# Altium PCB Slave.PcbDoc (part 8 of 11)
Units mm, origin at the board's own origin, x right, y up, seen from the top; angles counter-clockwise.
Board outline 380 x 63 mm, 4 copper layers (Top Copper, Signal Layer 1, Signal Layer 2, Bottom Copper), stack 1.586 mm thick; 256 components, 191 nets, 731 pads, 24161 vias.
Unrouted connection lines stored in the file: 14.
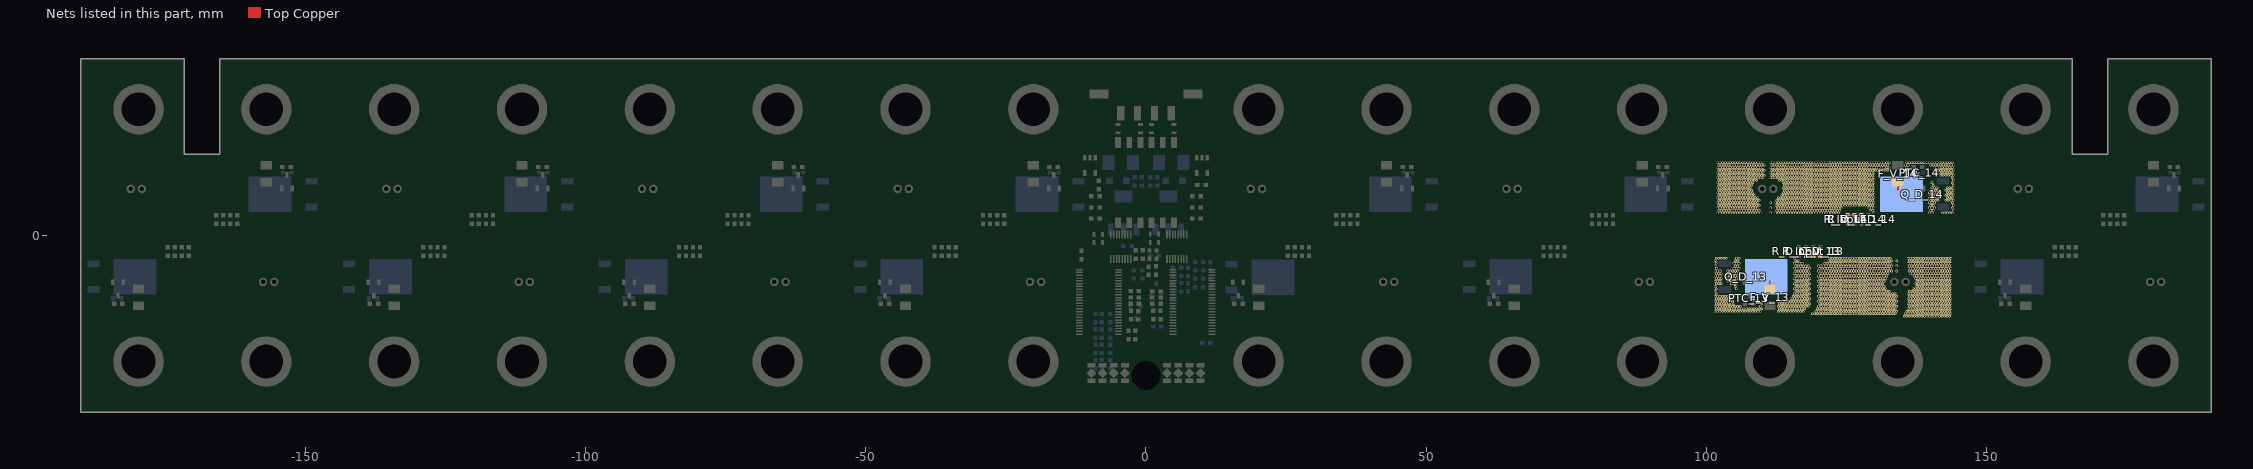
[diagram p10: the nets of this part, all layers, seen from the top]

## Via types
v1: diameter 0.45, hole 0.297, Top Copper to Bottom Copper, tented both sides, 23326 vias
v2: diameter 1, hole 0.7, Top Copper to Bottom Copper, 576 vias
v3: diameter 0.45, hole 0.2, Top Copper to Bottom Copper, 259 vias

## Nets (pads, with @x,y where several pads share a name; then routed paths per layer and width w, separated by ;. In a path a pad name is that pad's centre, name@x,y a point inside that pad or via, vN(x,y) a via of type N, cw(c..) or ccw(c..) an arc to the next point about the centre after c; other vN are vias at no path point) (continued)
F_13: C_V_13.2 F_V_13.2 PTC_13.2 Q_D_13.2 R_D_LED_13.2 R_Input_13.1 | length 3.9
  Top Copper w0.254: R_D_LED_13.2@117.75,-3.6 R_Input_13.1@119,-3.6 C_V_13.2@120.25,-3.6
  Top Copper w0.305: F_V_13.2@111.275,-9.48 111.275,-8.1
  other v1: 135.249,-14.45 135.699,-14.45 136.149,-14.45 136.599,-14.45 137.049,-14.45 137.499,-14.45 137.949,-14.45 138.399,-14.45 138.849,-14.45 139.299,-14.45 139.749,-14.45 140.199,-14.45 140.649,-14.45 141.099,-14.45 141.549,-14.45 141.999,-14.45 142.449,-14.45 142.899,-14.45 143.349,-14.45 118.824,-14 119.274,-14 119.724,-14 120.174,-14 120.624,-14 121.074,-14 121.524,-14 121.974,-14 122.424,-14 122.874,-14 123.324,-14 123.774,-14 124.224,-14 124.674,-14 125.124,-14 125.574,-14 126.024,-14 126.474,-14 126.924,-14 127.374,-14 127.824,-14 128.274,-14 128.724,-14 129.174,-14 129.624,-14 130.074,-14 130.524,-14 130.974,-14 131.424,-14 131.874,-14 132.324,-14 132.774,-14 133.224,-14 133.674,-14 135.474,-14 135.924,-14 136.374,-14 136.824,-14 137.274,-14 137.724,-14 138.174,-14 138.624,-14 139.074,-14 139.524,-14 139.974,-14 140.424,-14 140.874,-14 141.324,-14 141.774,-14 142.224,-14 142.674,-14 143.124,-14 143.574,-14 101.499,-13.55 101.949,-13.55 102.399,-13.55 102.849,-13.55 103.299,-13.55 103.749,-13.55 104.199,-13.55 104.649,-13.55 105.099,-13.55 105.549,-13.55 105.999,-13.55 106.449,-13.55 106.899,-13.55 107.349,-13.55 107.799,-13.55 108.249,-13.55 108.699,-13.55 109.149,-13.55 109.599,-13.55 112.749,-13.55 113.199,-13.55 113.649,-13.55 114.099,-13.55 114.549,-13.55 114.999,-13.55 115.449,-13.55 115.899,-13.55 116.349,-13.55 116.799,-13.55 117.249,-13.55 119.499,-13.55 119.949,-13.55 120.399,-13.55 120.849,-13.55 121.299,-13.55 121.749,-13.55 122.199,-13.55 122.649,-13.55 123.099,-13.55 123.549,-13.55 123.999,-13.55 124.449,-13.55 124.899,-13.55 125.349,-13.55 125.799,-13.55 126.249,-13.55 126.699,-13.55 127.149,-13.55 127.599,-13.55 128.049,-13.55 128.499,-13.55 128.949,-13.55 129.399,-13.55 129.849,-13.55 130.299,-13.55 130.749,-13.55 131.199,-13.55 131.649,-13.55 132.099,-13.55 132.549,-13.55 132.999,-13.55 133.449,-13.55 133.899,-13.55 135.699,-13.55 136.149,-13.55 136.599,-13.55 137.049,-13.55 137.499,-13.55 137.949,-13.55 138.399,-13.55 138.849,-13.55 139.299,-13.55 139.749,-13.55 140.199,-13.55 140.649,-13.55 141.099,-13.55 141.549,-13.55 141.999,-13.55 142.449,-13.55 142.899,-13.55 143.349,-13.55 101.724,-13.1 102.174,-13.1 102.624,-13.1 103.074,-13.1 103.524,-13.1 103.974,-13.1 104.424,-13.1 104.874,-13.1 105.324,-13.1 105.774,-13.1 106.224,-13.1 106.674,-13.1 107.124,-13.1 107.574,-13.1 108.024,-13.1 108.474,-13.1 108.924,-13.1 109.374,-13.1 109.824,-13.1 112.974,-13.1 113.424,-13.1 113.874,-13.1 114.324,-13.1 114.774,-13.1 115.224,-13.1 115.674,-13.1 116.124,-13.1 116.574,-13.1 117.024,-13.1 117.474,-13.1 119.724,-13.1 120.174,-13.1 120.624,-13.1 121.074,-13.1 121.524,-13.1 121.974,-13.1 122.424,-13.1 122.874,-13.1 123.324,-13.1 123.774,-13.1 124.224,-13.1 124.674,-13.1 125.124,-13.1 125.574,-13.1 126.024,-13.1 126.474,-13.1 126.924,-13.1 127.374,-13.1 127.824,-13.1 128.274,-13.1 128.724,-13.1 129.174,-13.1 129.624,-13.1 130.074,-13.1 130.524,-13.1 130.974,-13.1 131.424,-13.1 131.874,-13.1 132.324,-13.1 132.774,-13.1 133.224,-13.1 133.674,-13.1 135.924,-13.1 136.374,-13.1 136.824,-13.1 137.274,-13.1 137.724,-13.1 138.174,-13.1 138.624,-13.1 139.074,-13.1 139.524,-13.1 139.974,-13.1 140.424,-13.1 140.874,-13.1 141.324,-13.1 141.774,-13.1 142.224,-13.1 142.674,-13.1 143.124,-13.1 143.574,-13.1 101.499,-12.65 101.949,-12.65 102.399,-12.65 102.849,-12.65 103.299,-12.65 103.749,-12.65 104.199,-12.65 104.649,-12.65 105.099,-12.65 105.549,-12.65 105.999,-12.65 109.599,-12.65 112.749,-12.65 113.199,-12.65 113.649,-12.65 114.099,-12.65 114.549,-12.65 114.999,-12.65 115.449,-12.65 115.899,-12.65 116.349,-12.65 116.799,-12.65 117.249,-12.65 117.699,-12.65 118.149,-12.65 119.949,-12.65 120.399,-12.65 120.849,-12.65 121.299,-12.65 121.749,-12.65 122.199,-12.65 122.649,-12.65 123.099,-12.65 123.549,-12.65 123.999,-12.65 124.449,-12.65 124.899,-12.65 125.349,-12.65 125.799,-12.65 126.249,-12.65 126.699,-12.65 127.149,-12.65 127.599,-12.65 128.049,-12.65 128.499,-12.65 128.949,-12.65 129.399,-12.65 129.849,-12.65 130.299,-12.65 130.749,-12.65 131.199,-12.65 131.649,-12.65 132.099,-12.65 132.549,-12.65 132.999,-12.65 133.449,-12.65 133.899,-12.65 136.149,-12.65 136.599,-12.65 137.049,-12.65 137.499,-12.65 137.949,-12.65 138.399,-12.65 138.849,-12.65 139.299,-12.65 139.749,-12.65 140.199,-12.65 140.649,-12.65 141.099,-12.65 141.549,-12.65 141.999,-12.65 142.449,-12.65 142.899,-12.65 143.349,-12.65 101.724,-12.2 102.174,-12.2 102.624,-12.2 103.074,-12.2 103.524,-12.2 103.974,-12.2 104.424,-12.2 104.874,-12.2 109.824,-12.2 112.974,-12.2 113.424,-12.2 113.874,-12.2 114.324,-12.2 114.774,-12.2 115.224,-12.2 115.674,-12.2 116.124,-12.2 116.574,-12.2 117.024,-12.2 117.474,-12.2 117.924,-12.2 118.374,-12.2 120.174,-12.2 120.624,-12.2 121.074,-12.2 121.524,-12.2 121.974,-12.2 122.424,-12.2 122.874,-12.2 123.324,-12.2 123.774,-12.2 124.224,-12.2 124.674,-12.2 125.124,-12.2 125.574,-12.2 126.024,-12.2 126.474,-12.2 126.924,-12.2 127.374,-12.2 127.824,-12.2 128.274,-12.2 128.724,-12.2 129.174,-12.2 129.624,-12.2 130.074,-12.2 130.524,-12.2 130.974,-12.2 131.424,-12.2 131.874,-12.2 132.324,-12.2 132.774,-12.2 133.224,-12.2 133.674,-12.2 135.924,-12.2 136.374,-12.2 136.824,-12.2 137.274,-12.2 137.724,-12.2 138.174,-12.2 138.624,-12.2 139.074,-12.2 139.524,-12.2 139.974,-12.2 140.424,-12.2 140.874,-12.2 141.324,-12.2 141.774,-12.2 142.224,-12.2 142.674,-12.2 143.124,-12.2 143.574,-12.2 101.499,-11.75 101.949,-11.75 102.399,-11.75 102.849,-11.75 103.299,-11.75 103.749,-11.75 104.199,-11.75 104.649,-11.75 112.749,-11.75 113.199,-11.75 113.649,-11.75 114.099,-11.75 114.549,-11.75 114.999,-11.75 115.449,-11.75 115.899,-11.75 116.349,-11.75 116.799,-11.75 117.249,-11.75 117.699,-11.75 118.149,-11.75 119.949,-11.75 120.399,-11.75 120.849,-11.75 121.299,-11.75 121.749,-11.75 122.199,-11.75 122.649,-11.75 123.099,-11.75 123.549,-11.75 123.999,-11.75 124.449,-11.75 124.899,-11.75 125.349,-11.75 125.799,-11.75 126.249,-11.75 126.699,-11.75 127.149,-11.75 127.599,-11.75 128.049,-11.75 128.499,-11.75 128.949,-11.75 129.399,-11.75 129.849,-11.75 130.299,-11.75 130.749,-11.75 131.199,-11.75 131.649,-11.75 132.099,-11.75 132.549,-11.75 132.999,-11.75 133.449,-11.75 133.899,-11.75 136.149,-11.75 136.599,-11.75 137.049,-11.75 137.499,-11.75 137.949,-11.75 138.399,-11.75 138.849,-11.75 139.299,-11.75 139.749,-11.75 140.199,-11.75 140.649,-11.75 141.099,-11.75 141.549,-11.75 141.999,-11.75 142.449,-11.75 142.899,-11.75 143.349,-11.75 101.724,-11.3 102.174,-11.3 102.624,-11.3 103.074,-11.3 103.524,-11.3 103.974,-11.3 115.224,-11.3 115.674,-11.3 116.124,-11.3 116.574,-11.3 117.024,-11.3 117.474,-11.3 117.924,-11.3 118.374,-11.3 120.174,-11.3 120.624,-11.3 121.074,-11.3 121.524,-11.3 121.974,-11.3 122.424,-11.3 122.874,-11.3 123.324,-11.3 123.774,-11.3 124.224,-11.3 124.674,-11.3 125.124,-11.3 125.574,-11.3 126.024,-11.3 126.474,-11.3 126.924,-11.3 127.374,-11.3 127.824,-11.3 128.274,-11.3 128.724,-11.3 129.174,-11.3 129.624,-11.3 130.074,-11.3 130.524,-11.3 130.974,-11.3 131.424,-11.3 131.874,-11.3 132.324,-11.3 132.774,-11.3 133.224,-11.3 133.674,-11.3 135.924,-11.3 136.374,-11.3 136.824,-11.3 137.274,-11.3 137.724,-11.3 138.174,-11.3 138.624,-11.3 139.074,-11.3 139.524,-11.3 139.974,-11.3 140.424,-11.3 140.874,-11.3 141.324,-11.3 141.774,-11.3 142.224,-11.3 142.674,-11.3 143.124,-11.3 143.574,-11.3 101.499,-10.85 101.949,-10.85 102.399,-10.85 102.849,-10.85 103.299,-10.85 103.749,-10.85 115.449,-10.85 115.899,-10.85 116.349,-10.85 116.799,-10.85 117.249,-10.85 117.699,-10.85 118.149,-10.85 119.949,-10.85 120.399,-10.85 120.849,-10.85 121.299,-10.85 121.749,-10.85 122.199,-10.85 122.649,-10.85 123.099,-10.85 123.549,-10.85 123.999,-10.85 124.449,-10.85 124.899,-10.85 125.349,-10.85 125.799,-10.85 126.249,-10.85 126.699,-10.85 127.149,-10.85 127.599,-10.85 128.049,-10.85 128.499,-10.85 128.949,-10.85 129.399,-10.85 129.849,-10.85 130.299,-10.85 130.749,-10.85 131.199,-10.85 131.649,-10.85 132.099,-10.85 132.549,-10.85 132.999,-10.85 133.449,-10.85 133.899,-10.85 136.149,-10.85 136.599,-10.85 137.049,-10.85 137.499,-10.85 137.949,-10.85 138.399,-10.85 138.849,-10.85 139.299,-10.85 139.749,-10.85 140.199,-10.85 140.649,-10.85 141.099,-10.85 141.549,-10.85 141.999,-10.85 142.449,-10.85 142.899,-10.85 143.349,-10.85 101.724,-10.4 115.674,-10.4 116.124,-10.4 116.574,-10.4 117.024,-10.4 117.474,-10.4 117.924,-10.4 118.374,-10.4 120.174,-10.4 120.624,-10.4 121.074,-10.4 121.524,-10.4 121.974,-10.4 122.424,-10.4 122.874,-10.4 123.324,-10.4 123.774,-10.4 124.224,-10.4 124.674,-10.4 125.124,-10.4 125.574,-10.4 126.024,-10.4 126.474,-10.4 126.924,-10.4 127.374,-10.4 127.824,-10.4 128.274,-10.4 128.724,-10.4 129.174,-10.4 129.624,-10.4 130.074,-10.4 130.524,-10.4 130.974,-10.4 131.424,-10.4 131.874,-10.4 132.324,-10.4 132.774,-10.4 133.224,-10.4 133.674,-10.4 135.924,-10.4 136.374,-10.4 136.824,-10.4 137.274,-10.4 137.724,-10.4 138.174,-10.4 138.624,-10.4 139.074,-10.4 139.524,-10.4 139.974,-10.4 140.424,-10.4 140.874,-10.4 141.324,-10.4 141.774,-10.4 142.224,-10.4 142.674,-10.4 143.124,-10.4 143.574,-10.4 101.499,-9.95 115.899,-9.95 116.349,-9.95 116.799,-9.95 117.249,-9.95 117.699,-9.95 118.149,-9.95 119.949,-9.95 120.399,-9.95 120.849,-9.95 121.299,-9.95 121.749,-9.95 122.199,-9.95 122.649,-9.95 123.099,-9.95 123.549,-9.95 123.999,-9.95 124.449,-9.95 124.899,-9.95 125.349,-9.95 125.799,-9.95 126.249,-9.95 126.699,-9.95 127.149,-9.95 127.599,-9.95 128.049,-9.95 128.499,-9.95 128.949,-9.95 129.399,-9.95 129.849,-9.95 130.299,-9.95 130.749,-9.95 131.199,-9.95 131.649,-9.95 132.099,-9.95 132.549,-9.95 136.149,-9.95 136.599,-9.95 137.049,-9.95 137.499,-9.95 137.949,-9.95 138.399,-9.95 138.849,-9.95 139.299,-9.95 139.749,-9.95 140.199,-9.95 140.649,-9.95 141.099,-9.95 141.549,-9.95 141.999,-9.95 142.449,-9.95 142.899,-9.95 143.349,-9.95 101.724,-9.5 105.324,-9.5 115.674,-9.5 116.124,-9.5 116.574,-9.5 117.024,-9.5 117.474,-9.5 117.924,-9.5 118.374,-9.5 120.174,-9.5 120.624,-9.5 121.074,-9.5 121.524,-9.5 121.974,-9.5 122.424,-9.5 122.874,-9.5 123.324,-9.5 123.774,-9.5 124.224,-9.5 124.674,-9.5 125.124,-9.5 125.574,-9.5 126.024,-9.5 126.474,-9.5 126.924,-9.5 127.374,-9.5 127.824,-9.5 128.274,-9.5 128.724,-9.5 129.174,-9.5 129.624,-9.5 130.074,-9.5 130.524,-9.5 130.974,-9.5 131.424,-9.5 131.874,-9.5 136.824,-9.5 137.274,-9.5 137.724,-9.5 138.174,-9.5 138.624,-9.5 139.074,-9.5 139.524,-9.5 139.974,-9.5 140.424,-9.5 140.874,-9.5 141.324,-9.5 141.774,-9.5 142.224,-9.5 142.674,-9.5 143.124,-9.5 143.574,-9.5 101.499,-9.05 105.099,-9.05 115.899,-9.05 116.349,-9.05 116.799,-9.05 117.249,-9.05 117.699,-9.05 118.149,-9.05 119.949,-9.05 120.399,-9.05 120.849,-9.05 121.299,-9.05 121.749,-9.05 122.199,-9.05 122.649,-9.05 123.099,-9.05 123.549,-9.05 123.999,-9.05 124.449,-9.05 124.899,-9.05 125.349,-9.05 125.799,-9.05 126.249,-9.05 126.699,-9.05 127.149,-9.05 127.599,-9.05 128.049,-9.05 128.499,-9.05 128.949,-9.05 129.399,-9.05 129.849,-9.05 130.299,-9.05 130.749,-9.05 131.199,-9.05 131.649,-9.05 137.499,-9.05 137.949,-9.05 138.399,-9.05 138.849,-9.05 139.299,-9.05 139.749,-9.05 140.199,-9.05 140.649,-9.05 141.099,-9.05 141.549,-9.05 141.999,-9.05 142.449,-9.05 142.899,-9.05 143.349,-9.05 101.724,-8.6 102.174,-8.6 102.624,-8.6 104.424,-8.6 104.874,-8.6 105.324,-8.6 115.674,-8.6 116.124,-8.6 116.574,-8.6 117.024,-8.6 117.474,-8.6 117.924,-8.6 118.374,-8.6 120.174,-8.6 120.624,-8.6 121.074,-8.6 121.524,-8.6 121.974,-8.6 122.424,-8.6 122.874,-8.6 123.324,-8.6 123.774,-8.6 124.224,-8.6 124.674,-8.6 125.124,-8.6 125.574,-8.6 126.024,-8.6 126.474,-8.6 126.924,-8.6 127.374,-8.6 127.824,-8.6 128.274,-8.6 128.724,-8.6 129.174,-8.6 129.624,-8.6 130.074,-8.6 130.524,-8.6 130.974,-8.6 131.424,-8.6 137.274,-8.6 137.724,-8.6 138.174,-8.6 138.624,-8.6 139.074,-8.6 139.524,-8.6 139.974,-8.6 140.424,-8.6 140.874,-8.6 141.324,-8.6 141.774,-8.6 142.224,-8.6 142.674,-8.6 143.124,-8.6 143.574,-8.6 101.499,-8.15 101.949,-8.15 102.399,-8.15 103.749,-8.15 104.199,-8.15 104.649,-8.15 105.099,-8.15 115.899,-8.15 116.349,-8.15 116.799,-8.15 117.249,-8.15 117.699,-8.15 118.149,-8.15 119.949,-8.15 120.399,-8.15 120.849,-8.15 121.299,-8.15 121.749,-8.15 122.199,-8.15 122.649,-8.15 123.099,-8.15 123.549,-8.15 123.999,-8.15 124.449,-8.15 124.899,-8.15 125.349,-8.15 125.799,-8.15 126.249,-8.15 126.699,-8.15 127.149,-8.15 127.599,-8.15 128.049,-8.15 128.499,-8.15 128.949,-8.15 129.399,-8.15 129.849,-8.15 130.299,-8.15 130.749,-8.15 131.199,-8.15 131.649,-8.15 137.499,-8.15 137.949,-8.15 138.399,-8.15 138.849,-8.15 139.299,-8.15 139.749,-8.15 140.199,-8.15 140.649,-8.15 141.099,-8.15 141.549,-8.15 141.999,-8.15 142.449,-8.15 142.899,-8.15 143.349,-8.15 101.724,-7.7 102.174,-7.7 102.624,-7.7 103.974,-7.7 104.424,-7.7 104.874,-7.7 105.324,-7.7 105.774,-7.7 115.674,-7.7 116.124,-7.7 116.574,-7.7 117.024,-7.7 117.474,-7.7 117.924,-7.7 118.374,-7.7 120.174,-7.7 120.624,-7.7 121.074,-7.7 121.524,-7.7 121.974,-7.7 122.424,-7.7 122.874,-7.7 123.324,-7.7 123.774,-7.7 124.224,-7.7 124.674,-7.7 125.124,-7.7 125.574,-7.7 126.024,-7.7 126.474,-7.7 126.924,-7.7 127.374,-7.7 127.824,-7.7 128.274,-7.7 128.724,-7.7 129.174,-7.7 129.624,-7.7 130.074,-7.7 130.524,-7.7 130.974,-7.7 131.424,-7.7 131.874,-7.7 137.274,-7.7 137.724,-7.7 138.174,-7.7 138.624,-7.7 139.074,-7.7 139.524,-7.7 139.974,-7.7 140.424,-7.7 140.874,-7.7 141.324,-7.7 141.774,-7.7 142.224,-7.7 142.674,-7.7 143.124,-7.7 143.574,-7.7 101.499,-7.25 101.949,-7.25 102.399,-7.25 103.749,-7.25 104.199,-7.25 104.649,-7.25 105.099,-7.25 105.549,-7.25 115.899,-7.25 116.349,-7.25 116.799,-7.25 117.249,-7.25 117.699,-7.25 118.149,-7.25 119.949,-7.25 120.399,-7.25 120.849,-7.25 121.299,-7.25 121.749,-7.25 122.199,-7.25 122.649,-7.25 123.099,-7.25 123.549,-7.25 123.999,-7.25 124.449,-7.25 124.899,-7.25 125.349,-7.25 125.799,-7.25 126.249,-7.25 126.699,-7.25 127.149,-7.25 127.599,-7.25 128.049,-7.25 128.499,-7.25 128.949,-7.25 129.399,-7.25 129.849,-7.25 130.299,-7.25 130.749,-7.25 131.199,-7.25 131.649,-7.25 132.099,-7.25 137.049,-7.25 137.499,-7.25 137.949,-7.25 138.399,-7.25 138.849,-7.25 139.299,-7.25 139.749,-7.25 140.199,-7.25 140.649,-7.25 141.099,-7.25 141.549,-7.25 141.999,-7.25 142.449,-7.25 142.899,-7.25 143.349,-7.25 101.724,-6.8 102.174,-6.8 102.624,-6.8 103.974,-6.8 104.424,-6.8 104.874,-6.8 105.324,-6.8 105.774,-6.8 115.674,-6.8 116.124,-6.8 116.574,-6.8 117.024,-6.8 117.474,-6.8 117.924,-6.8 118.374,-6.8 120.174,-6.8 120.624,-6.8 121.074,-6.8 121.524,-6.8 121.974,-6.8 122.424,-6.8 122.874,-6.8 123.324,-6.8 123.774,-6.8 124.224,-6.8 124.674,-6.8 125.124,-6.8 125.574,-6.8 126.024,-6.8 126.474,-6.8 126.924,-6.8 127.374,-6.8 127.824,-6.8 128.274,-6.8 128.724,-6.8 129.174,-6.8 129.624,-6.8 130.074,-6.8 130.524,-6.8 130.974,-6.8 131.424,-6.8 131.874,-6.8 132.324,-6.8 136.374,-6.8 136.824,-6.8 137.274,-6.8 137.724,-6.8 138.174,-6.8 138.624,-6.8 139.074,-6.8 139.524,-6.8 139.974,-6.8 140.424,-6.8 140.874,-6.8 141.324,-6.8 141.774,-6.8 142.224,-6.8 142.674,-6.8 143.124,-6.8 143.574,-6.8 101.499,-6.35 101.949,-6.35 102.399,-6.35 103.749,-6.35 104.199,-6.35 104.649,-6.35 105.099,-6.35 105.549,-6.35 115.899,-6.35 116.349,-6.35 116.799,-6.35 117.249,-6.35 117.699,-6.35 118.149,-6.35 119.949,-6.35 120.399,-6.35 120.849,-6.35 121.299,-6.35 121.749,-6.35 122.199,-6.35 122.649,-6.35 123.099,-6.35 123.549,-6.35 123.999,-6.35 124.449,-6.35 124.899,-6.35 125.349,-6.35 125.799,-6.35 126.249,-6.35 126.699,-6.35 127.149,-6.35 127.599,-6.35 128.049,-6.35 128.499,-6.35 128.949,-6.35 129.399,-6.35 129.849,-6.35 130.299,-6.35 130.749,-6.35 131.199,-6.35 131.649,-6.35 132.099,-6.35 132.549,-6.35 132.999,-6.35 133.899,-6.35 136.149,-6.35 136.599,-6.35 137.049,-6.35 137.499,-6.35 137.949,-6.35 138.399,-6.35 138.849,-6.35 139.299,-6.35 139.749,-6.35 140.199,-6.35 140.649,-6.35 141.099,-6.35 141.549,-6.35 141.999,-6.35 142.449,-6.35 142.899,-6.35 143.349,-6.35 101.724,-5.9 104.874,-5.9 105.324,-5.9 105.774,-5.9 115.674,-5.9 116.124,-5.9 116.574,-5.9 117.024,-5.9 117.474,-5.9 117.924,-5.9 118.374,-5.9 120.174,-5.9 120.624,-5.9 121.074,-5.9 121.524,-5.9 121.974,-5.9 122.424,-5.9 122.874,-5.9 123.324,-5.9 123.774,-5.9 124.224,-5.9 124.674,-5.9 125.124,-5.9 125.574,-5.9 126.024,-5.9 126.474,-5.9 126.924,-5.9 127.374,-5.9 127.824,-5.9 128.274,-5.9 128.724,-5.9 129.174,-5.9 129.624,-5.9 130.074,-5.9 130.524,-5.9 130.974,-5.9 131.424,-5.9 131.874,-5.9 132.324,-5.9 132.774,-5.9 135.924,-5.9 136.374,-5.9 136.824,-5.9 137.274,-5.9 137.724,-5.9 138.174,-5.9 138.624,-5.9 139.074,-5.9 139.524,-5.9 139.974,-5.9 140.424,-5.9 140.874,-5.9 141.324,-5.9 141.774,-5.9 142.224,-5.9 142.674,-5.9 143.124,-5.9 143.574,-5.9 101.499,-5.45 105.099,-5.45 105.549,-5.45 115.899,-5.45 116.349,-5.45 116.799,-5.45 117.249,-5.45 117.699,-5.45 118.149,-5.45 119.949,-5.45 120.399,-5.45 120.849,-5.45 121.299,-5.45 121.749,-5.45 122.199,-5.45 122.649,-5.45 123.099,-5.45 123.549,-5.45 123.999,-5.45 124.449,-5.45 124.899,-5.45 125.349,-5.45 125.799,-5.45 126.249,-5.45 126.699,-5.45 127.149,-5.45 127.599,-5.45 128.049,-5.45 128.499,-5.45 128.949,-5.45 129.399,-5.45 129.849,-5.45 130.299,-5.45 130.749,-5.45 131.199,-5.45 131.649,-5.45 132.099,-5.45 132.549,-5.45 132.999,-5.45 133.899,-5.45 136.149,-5.45 136.599,-5.45 137.049,-5.45 137.499,-5.45 137.949,-5.45 138.399,-5.45 138.849,-5.45 139.299,-5.45 139.749,-5.45 140.199,-5.45 140.649,-5.45 141.099,-5.45 141.549,-5.45 141.999,-5.45 142.449,-5.45 142.899,-5.45 143.349,-5.45 101.724,-5 104.874,-5 105.324,-5 105.774,-5 115.674,-5 116.124,-5 116.574,-5 117.024,-5 121.074,-5 121.524,-5 121.974,-5 122.424,-5 122.874,-5 123.324,-5 123.774,-5 124.224,-5 124.674,-5 125.124,-5 125.574,-5 126.024,-5 126.474,-5 126.924,-5 127.374,-5 127.824,-5 128.274,-5 128.724,-5 129.174,-5 129.624,-5 130.074,-5 130.524,-5 130.974,-5 131.424,-5 131.874,-5 132.324,-5 132.774,-5 135.924,-5 136.374,-5 136.824,-5 137.274,-5 137.724,-5 138.174,-5 138.624,-5 139.074,-5 139.524,-5 139.974,-5 140.424,-5 140.874,-5 141.324,-5 141.774,-5 142.224,-5 142.674,-5 143.124,-5 143.574,-5 101.499,-4.55 105.099,-4.55 105.549,-4.55 115.899,-4.55 116.349,-4.55 121.749,-4.55 122.199,-4.55 122.649,-4.55 123.099,-4.55 123.549,-4.55 123.999,-4.55 124.449,-4.55 124.899,-4.55 125.349,-4.55 125.799,-4.55 126.249,-4.55 126.699,-4.55 127.149,-4.55 127.599,-4.55 128.049,-4.55 128.499,-4.55 128.949,-4.55 129.399,-4.55 129.849,-4.55 130.299,-4.55 130.749,-4.55 131.199,-4.55 131.649,-4.55 132.099,-4.55 132.549,-4.55 132.999,-4.55 133.899,-4.55 136.149,-4.55 136.599,-4.55 137.049,-4.55 137.499,-4.55 137.949,-4.55 138.399,-4.55 138.849,-4.55 139.299,-4.55 139.749,-4.55 140.199,-4.55 140.649,-4.55 141.099,-4.55 141.549,-4.55 141.999,-4.55 142.449,-4.55 142.899,-4.55 143.349,-4.55 101.724,-4.1 102.174,-4.1 102.624,-4.1 103.074,-4.1 103.524,-4.1 105.324,-4.1 105.774,-4.1 115.674,-4.1 121.974,-4.1 122.424,-4.1 122.874,-4.1 123.324,-4.1 123.774,-4.1 124.224,-4.1 124.674,-4.1 125.124,-4.1 125.574,-4.1 126.024,-4.1 126.474,-4.1 126.924,-4.1 127.374,-4.1 127.824,-4.1 128.274,-4.1 128.724,-4.1 129.174,-4.1 129.624,-4.1 130.074,-4.1 130.524,-4.1 130.974,-4.1 131.424,-4.1 131.874,-4.1 132.324,-4.1 132.774,-4.1 135.924,-4.1 136.374,-4.1 136.824,-4.1 137.274,-4.1 137.724,-4.1 138.174,-4.1 138.624,-4.1 139.074,-4.1 139.524,-4.1 139.974,-4.1 140.424,-4.1 140.874,-4.1 141.324,-4.1 141.774,-4.1 142.224,-4.1 142.674,-4.1 143.124,-4.1 143.574,-4.1
F_14: C_V_14.2 F_V_14.2 PTC_14.2 Q_D_14.2 R_D_LED_14.2 R_Input_14.1 | length 3.9
  Top Copper w0.254: C_V_14.2@125.15,3.6 R_Input_14.1@126.4,3.6 R_D_LED_14.2@127.65,3.6
  Top Copper w0.305: 134.125,8.1 F_V_14.2@134.125,9.48
  other v1: 101.949,4 102.399,4 102.849,4 103.299,4 103.749,4 104.199,4 104.649,4 105.099,4 105.549,4 105.999,4 106.449,4 106.899,4 107.349,4 107.799,4 108.249,4 108.699,4 109.149,4 109.599,4 111.399,4 112.299,4 112.749,4 113.199,4 113.649,4 114.099,4 114.549,4 114.999,4 115.449,4 115.899,4 116.349,4 116.799,4 117.249,4 117.699,4 118.149,4 118.599,4 119.049,4 119.499,4 119.949,4 120.399,4 120.849,4 121.299,4 121.749,4 122.199,4 122.649,4 123.099,4 123.549,4 129.849,4 139.749,4 140.199,4 141.999,4 142.449,4 142.899,4 143.349,4 143.799,4 102.174,4.45 102.624,4.45 103.074,4.45 103.524,4.45 103.974,4.45 104.424,4.45 104.874,4.45 105.324,4.45 105.774,4.45 106.224,4.45 106.674,4.45 107.124,4.45 107.574,4.45 108.024,4.45 108.474,4.45 108.924,4.45 109.374,4.45 112.524,4.45 112.974,4.45 113.424,4.45 113.874,4.45 114.324,4.45 114.774,4.45 115.224,4.45 115.674,4.45 116.124,4.45 116.574,4.45 117.024,4.45 117.474,4.45 117.924,4.45 118.374,4.45 118.824,4.45 119.274,4.45 119.724,4.45 120.174,4.45 120.624,4.45 121.074,4.45 121.524,4.45 121.974,4.45 122.424,4.45 122.874,4.45 123.324,4.45 123.774,4.45 129.174,4.45 129.624,4.45 139.974,4.45 140.424,4.45 144.024,4.45 101.949,4.9 102.399,4.9 102.849,4.9 103.299,4.9 103.749,4.9 104.199,4.9 104.649,4.9 105.099,4.9 105.549,4.9 105.999,4.9 106.449,4.9 106.899,4.9 107.349,4.9 107.799,4.9 108.249,4.9 108.699,4.9 109.149,4.9 111.399,4.9 112.299,4.9 112.749,4.9 113.199,4.9 113.649,4.9 114.099,4.9 114.549,4.9 114.999,4.9 115.449,4.9 115.899,4.9 116.349,4.9 116.799,4.9 117.249,4.9 117.699,4.9 118.149,4.9 118.599,4.9 119.049,4.9 119.499,4.9 119.949,4.9 120.399,4.9 120.849,4.9 121.299,4.9 121.749,4.9 122.199,4.9 122.649,4.9 123.099,4.9 123.549,4.9 123.999,4.9 128.949,4.9 129.399,4.9 129.849,4.9 139.749,4.9 140.199,4.9 140.649,4.9 143.799,4.9 102.174,5.35 102.624,5.35 103.074,5.35 103.524,5.35 103.974,5.35 104.424,5.35 104.874,5.35 105.324,5.35 105.774,5.35 106.224,5.35 106.674,5.35 107.124,5.35 107.574,5.35 108.024,5.35 108.474,5.35 108.924,5.35 109.374,5.35 112.524,5.35 112.974,5.35 113.424,5.35 113.874,5.35 114.324,5.35 114.774,5.35 115.224,5.35 115.674,5.35 116.124,5.35 116.574,5.35 117.024,5.35 117.474,5.35 117.924,5.35 118.374,5.35 118.824,5.35 119.274,5.35 119.724,5.35 120.174,5.35 120.624,5.35 121.074,5.35 121.524,5.35 121.974,5.35 122.424,5.35 122.874,5.35 123.324,5.35 123.774,5.35 124.224,5.35 124.674,5.35 125.124,5.35 125.574,5.35 126.024,5.35 126.474,5.35 126.924,5.35 127.374,5.35 127.824,5.35 128.274,5.35 128.724,5.35 129.174,5.35 129.624,5.35 139.974,5.35 140.424,5.35 144.024,5.35 101.949,5.8 102.399,5.8 102.849,5.8 103.299,5.8 103.749,5.8 104.199,5.8 104.649,5.8 105.099,5.8 105.549,5.8 105.999,5.8 106.449,5.8 106.899,5.8 107.349,5.8 107.799,5.8 108.249,5.8 108.699,5.8 109.149,5.8 111.399,5.8 112.299,5.8 112.749,5.8 113.199,5.8 113.649,5.8 114.099,5.8 114.549,5.8 114.999,5.8 115.449,5.8 115.899,5.8 116.349,5.8 116.799,5.8 117.249,5.8 117.699,5.8 118.149,5.8 118.599,5.8 119.049,5.8 119.499,5.8 119.949,5.8 120.399,5.8 120.849,5.8 121.299,5.8 121.749,5.8 122.199,5.8 122.649,5.8 123.099,5.8 123.549,5.8 123.999,5.8 124.449,5.8 124.899,5.8 125.349,5.8 125.799,5.8 126.249,5.8 126.699,5.8 127.149,5.8 127.599,5.8 128.049,5.8 128.499,5.8 128.949,5.8 129.399,5.8 129.849,5.8 139.749,5.8 140.199,5.8 140.649,5.8 143.799,5.8 102.174,6.25 102.624,6.25 103.074,6.25 103.524,6.25 103.974,6.25 104.424,6.25 104.874,6.25 105.324,6.25 105.774,6.25 106.224,6.25 106.674,6.25 107.124,6.25 107.574,6.25 108.024,6.25 108.474,6.25 108.924,6.25 109.374,6.25 112.524,6.25 112.974,6.25 113.424,6.25 113.874,6.25 114.324,6.25 114.774,6.25 115.224,6.25 115.674,6.25 116.124,6.25 116.574,6.25 117.024,6.25 117.474,6.25 117.924,6.25 118.374,6.25 118.824,6.25 119.274,6.25 119.724,6.25 120.174,6.25 120.624,6.25 121.074,6.25 121.524,6.25 121.974,6.25 122.424,6.25 122.874,6.25 123.324,6.25 123.774,6.25 124.224,6.25 124.674,6.25 125.124,6.25 125.574,6.25 126.024,6.25 126.474,6.25 126.924,6.25 127.374,6.25 127.824,6.25 128.274,6.25 128.724,6.25 129.174,6.25 129.624,6.25 139.974,6.25 140.424,6.25 140.874,6.25 141.324,6.25 142.674,6.25 143.124,6.25 143.574,6.25 144.024,6.25 101.949,6.7 102.399,6.7 102.849,6.7 103.299,6.7 103.749,6.7 104.199,6.7 104.649,6.7 105.099,6.7 105.549,6.7 105.999,6.7 106.449,6.7 106.899,6.7 107.349,6.7 107.799,6.7 108.249,6.7 108.699,6.7 109.149,6.7 112.749,6.7 113.199,6.7 113.649,6.7 114.099,6.7 114.549,6.7 114.999,6.7 115.449,6.7 115.899,6.7 116.349,6.7 116.799,6.7 117.249,6.7 117.699,6.7 118.149,6.7 118.599,6.7 119.049,6.7 119.499,6.7 119.949,6.7 120.399,6.7 120.849,6.7 121.299,6.7 121.749,6.7 122.199,6.7 122.649,6.7 123.099,6.7 123.549,6.7 123.999,6.7 124.449,6.7 124.899,6.7 125.349,6.7 125.799,6.7 126.249,6.7 126.699,6.7 127.149,6.7 127.599,6.7 128.049,6.7 128.499,6.7 128.949,6.7 129.399,6.7 129.849,6.7 139.749,6.7 140.199,6.7 140.649,6.7 141.099,6.7 141.549,6.7 142.899,6.7 143.349,6.7 143.799,6.7 102.174,7.15 102.624,7.15 103.074,7.15 103.524,7.15 103.974,7.15 104.424,7.15 104.874,7.15 105.324,7.15 105.774,7.15 106.224,7.15 106.674,7.15 107.124,7.15 107.574,7.15 108.024,7.15 108.474,7.15 113.424,7.15 113.874,7.15 114.324,7.15 114.774,7.15 115.224,7.15 115.674,7.15 116.124,7.15 116.574,7.15 117.024,7.15 117.474,7.15 117.924,7.15 118.374,7.15 118.824,7.15 119.274,7.15 119.724,7.15 120.174,7.15 120.624,7.15 121.074,7.15 121.524,7.15 121.974,7.15 122.424,7.15 122.874,7.15 123.324,7.15 123.774,7.15 124.224,7.15 124.674,7.15 125.124,7.15 125.574,7.15 126.024,7.15 126.474,7.15 126.924,7.15 127.374,7.15 127.824,7.15 128.274,7.15 128.724,7.15 129.174,7.15 129.624,7.15 139.974,7.15 140.424,7.15 140.874,7.15 141.324,7.15 142.674,7.15 143.124,7.15 143.574,7.15 144.024,7.15 101.949,7.6 102.399,7.6 102.849,7.6 103.299,7.6 103.749,7.6 104.199,7.6 104.649,7.6 105.099,7.6 105.549,7.6 105.999,7.6 106.449,7.6 106.899,7.6 107.349,7.6 107.799,7.6 108.249,7.6 113.649,7.6 114.099,7.6 114.549,7.6 114.999,7.6 115.449,7.6 115.899,7.6 116.349,7.6 116.799,7.6 117.249,7.6 117.699,7.6 118.149,7.6 118.599,7.6 119.049,7.6 119.499,7.6 119.949,7.6 120.399,7.6 120.849,7.6 121.299,7.6 121.749,7.6 122.199,7.6 122.649,7.6 123.099,7.6 123.549,7.6 123.999,7.6 124.449,7.6 124.899,7.6 125.349,7.6 125.799,7.6 126.249,7.6 126.699,7.6 127.149,7.6 127.599,7.6 128.049,7.6 128.499,7.6 128.949,7.6 129.399,7.6 129.849,7.6 139.749,7.6 140.199,7.6 140.649,7.6 141.099,7.6 141.549,7.6 142.899,7.6 143.349,7.6 143.799,7.6 102.174,8.05 102.624,8.05 103.074,8.05 103.524,8.05 103.974,8.05 104.424,8.05 104.874,8.05 105.324,8.05 105.774,8.05 106.224,8.05 106.674,8.05 107.124,8.05 107.574,8.05 108.024,8.05 113.874,8.05 114.324,8.05 114.774,8.05 115.224,8.05 115.674,8.05 116.124,8.05 116.574,8.05 117.024,8.05 117.474,8.05 117.924,8.05 118.374,8.05 118.824,8.05 119.274,8.05 119.724,8.05 120.174,8.05 120.624,8.05 121.074,8.05 121.524,8.05 121.974,8.05 122.424,8.05 122.874,8.05 123.324,8.05 123.774,8.05 124.224,8.05 124.674,8.05 125.124,8.05 125.574,8.05 126.024,8.05 126.474,8.05 126.924,8.05 127.374,8.05 127.824,8.05 128.274,8.05 128.724,8.05 129.174,8.05 129.624,8.05 140.424,8.05 140.874,8.05 141.324,8.05 142.674,8.05 143.124,8.05 143.574,8.05 144.024,8.05 101.949,8.5 102.399,8.5 102.849,8.5 103.299,8.5 103.749,8.5 104.199,8.5 104.649,8.5 105.099,8.5 105.549,8.5 105.999,8.5 106.449,8.5 106.899,8.5 107.349,8.5 107.799,8.5 113.649,8.5 114.099,8.5 114.549,8.5 114.999,8.5 115.449,8.5 115.899,8.5 116.349,8.5 116.799,8.5 117.249,8.5 117.699,8.5 118.149,8.5 118.599,8.5 119.049,8.5 119.499,8.5 119.949,8.5 120.399,8.5 120.849,8.5 121.299,8.5 121.749,8.5 122.199,8.5 122.649,8.5 123.099,8.5 123.549,8.5 123.999,8.5 124.449,8.5 124.899,8.5 125.349,8.5 125.799,8.5 126.249,8.5 126.699,8.5 127.149,8.5 127.599,8.5 128.049,8.5 128.499,8.5 128.949,8.5 129.399,8.5 129.849,8.5 140.199,8.5 140.649,8.5 141.099,8.5 142.899,8.5 143.349,8.5 143.799,8.5 102.174,8.95 102.624,8.95 103.074,8.95 103.524,8.95 103.974,8.95 104.424,8.95 104.874,8.95 105.324,8.95 105.774,8.95 106.224,8.95 106.674,8.95 107.124,8.95 107.574,8.95 108.024,8.95 113.874,8.95 114.324,8.95 114.774,8.95 115.224,8.95 115.674,8.95 116.124,8.95 116.574,8.95 117.024,8.95 117.474,8.95 117.924,8.95 118.374,8.95 118.824,8.95 119.274,8.95 119.724,8.95 120.174,8.95 120.624,8.95 121.074,8.95 121.524,8.95 121.974,8.95 122.424,8.95 122.874,8.95 123.324,8.95 123.774,8.95 124.224,8.95 124.674,8.95 125.124,8.95 125.574,8.95 126.024,8.95 126.474,8.95 126.924,8.95 127.374,8.95 127.824,8.95 128.274,8.95 128.724,8.95 129.174,8.95 129.624,8.95 140.424,8.95 144.024,8.95 101.949,9.4 102.399,9.4 102.849,9.4 103.299,9.4 103.749,9.4 104.199,9.4 104.649,9.4 105.099,9.4 105.549,9.4 105.999,9.4 106.449,9.4 106.899,9.4 107.349,9.4 107.799,9.4 108.249,9.4 113.649,9.4 114.099,9.4 114.549,9.4 114.999,9.4 115.449,9.4 115.899,9.4 116.349,9.4 116.799,9.4 117.249,9.4 117.699,9.4 118.149,9.4 118.599,9.4 119.049,9.4 119.499,9.4 119.949,9.4 120.399,9.4 120.849,9.4 121.299,9.4 121.749,9.4 122.199,9.4 122.649,9.4 123.099,9.4 123.549,9.4 123.999,9.4 124.449,9.4 124.899,9.4 125.349,9.4 125.799,9.4 126.249,9.4 126.699,9.4 127.149,9.4 127.599,9.4 128.049,9.4 128.499,9.4 128.949,9.4 129.399,9.4 129.849,9.4 140.199,9.4 143.799,9.4 102.174,9.85 102.624,9.85 103.074,9.85 103.524,9.85 103.974,9.85 104.424,9.85 104.874,9.85 105.324,9.85 105.774,9.85 106.224,9.85 106.674,9.85 107.124,9.85 107.574,9.85 108.024,9.85 108.474,9.85 108.924,9.85 112.974,9.85 113.424,9.85 113.874,9.85 114.324,9.85 114.774,9.85 115.224,9.85 115.674,9.85 116.124,9.85 116.574,9.85 117.024,9.85 117.474,9.85 117.924,9.85 118.374,9.85 118.824,9.85 119.274,9.85 119.724,9.85 120.174,9.85 120.624,9.85 121.074,9.85 121.524,9.85 121.974,9.85 122.424,9.85 122.874,9.85 123.324,9.85 123.774,9.85 124.224,9.85 124.674,9.85 125.124,9.85 125.574,9.85 126.024,9.85 126.474,9.85 126.924,9.85 127.374,9.85 127.824,9.85 128.274,9.85 128.724,9.85 129.174,9.85 129.624,9.85 144.024,9.85 101.949,10.3 102.399,10.3 102.849,10.3 103.299,10.3 103.749,10.3 104.199,10.3 104.649,10.3 105.099,10.3 105.549,10.3 105.999,10.3 106.449,10.3 106.899,10.3 107.349,10.3 107.799,10.3 108.249,10.3 108.699,10.3 109.149,10.3 109.599,10.3 110.049,10.3 111.399,10.3 111.849,10.3 112.299,10.3 112.749,10.3 113.199,10.3 113.649,10.3 114.099,10.3 114.549,10.3 114.999,10.3 115.449,10.3 115.899,10.3 116.349,10.3 116.799,10.3 117.249,10.3 117.699,10.3 118.149,10.3 118.599,10.3 119.049,10.3 119.499,10.3 119.949,10.3 120.399,10.3 120.849,10.3 121.299,10.3 121.749,10.3 122.199,10.3 122.649,10.3 123.099,10.3 123.549,10.3 123.999,10.3 124.449,10.3 124.899,10.3 125.349,10.3 125.799,10.3 126.249,10.3 126.699,10.3 127.149,10.3 127.599,10.3 128.049,10.3 128.499,10.3 128.949,10.3 129.399,10.3 129.849,10.3 143.799,10.3 102.174,10.75 102.624,10.75 103.074,10.75 103.524,10.75 103.974,10.75 104.424,10.75 104.874,10.75 105.324,10.75 105.774,10.75 106.224,10.75 106.674,10.75 107.124,10.75 107.574,10.75 108.024,10.75 108.474,10.75 108.924,10.75 109.374,10.75 109.824,10.75 110.274,10.75 111.624,10.75 112.074,10.75 112.524,10.75 112.974,10.75 113.424,10.75 113.874,10.75 114.324,10.75 114.774,10.75 115.224,10.75 115.674,10.75 116.124,10.75 116.574,10.75 117.024,10.75 117.474,10.75 117.924,10.75 118.374,10.75 118.824,10.75 119.274,10.75 119.724,10.75 120.174,10.75 120.624,10.75 121.074,10.75 121.524,10.75 121.974,10.75 122.424,10.75 122.874,10.75 123.324,10.75 123.774,10.75 124.224,10.75 124.674,10.75 125.124,10.75 125.574,10.75 126.024,10.75 126.474,10.75 126.924,10.75 127.374,10.75 127.824,10.75 128.274,10.75 128.724,10.75 129.174,10.75 129.624,10.75 141.774,10.75 142.224,10.75 142.674,10.75 143.124,10.75 143.574,10.75 144.024,10.75 101.949,11.2 102.399,11.2 102.849,11.2 103.299,11.2 103.749,11.2 104.199,11.2 104.649,11.2 105.099,11.2 105.549,11.2 105.999,11.2 106.449,11.2 106.899,11.2 107.349,11.2 107.799,11.2 108.249,11.2 108.699,11.2 109.149,11.2 109.599,11.2 110.049,11.2 111.399,11.2 111.849,11.2 112.299,11.2 112.749,11.2 113.199,11.2 113.649,11.2 114.099,11.2 114.549,11.2 114.999,11.2 115.449,11.2 115.899,11.2 116.349,11.2 116.799,11.2 117.249,11.2 117.699,11.2 118.149,11.2 118.599,11.2 119.049,11.2 119.499,11.2 119.949,11.2 120.399,11.2 120.849,11.2 121.299,11.2 121.749,11.2 122.199,11.2 122.649,11.2 123.099,11.2 123.549,11.2 123.999,11.2 124.449,11.2 124.899,11.2 125.349,11.2 125.799,11.2 126.249,11.2 126.699,11.2 127.149,11.2 127.599,11.2 128.049,11.2 128.499,11.2 128.949,11.2 129.399,11.2 129.849,11.2 141.549,11.2 141.999,11.2 142.449,11.2 142.899,11.2 143.349,11.2 143.799,11.2 102.174,11.65 102.624,11.65 103.074,11.65 103.524,11.65 103.974,11.65 104.424,11.65 104.874,11.65 105.324,11.65 105.774,11.65 106.224,11.65 106.674,11.65 107.124,11.65 107.574,11.65 108.024,11.65 108.474,11.65 108.924,11.65 109.374,11.65 109.824,11.65 110.274,11.65 111.624,11.65 112.074,11.65 112.524,11.65 112.974,11.65 113.424,11.65 113.874,11.65 114.324,11.65 114.774,11.65 115.224,11.65 115.674,11.65 116.124,11.65 116.574,11.65 117.024,11.65 117.474,11.65 117.924,11.65 118.374,11.65 118.824,11.65 119.274,11.65 119.724,11.65 120.174,11.65 120.624,11.65 121.074,11.65 121.524,11.65 121.974,11.65 122.424,11.65 122.874,11.65 123.324,11.65 123.774,11.65 124.224,11.65 124.674,11.65 125.124,11.65 125.574,11.65 126.024,11.65 126.474,11.65 126.924,11.65 127.374,11.65 127.824,11.65 128.274,11.65 128.724,11.65 129.174,11.65 129.624,11.65 130.074,11.65 130.524,11.65 130.974,11.65 131.424,11.65 131.874,11.65 132.324,11.65 135.474,11.65 140.874,11.65 141.324,11.65 141.774,11.65 142.224,11.65 142.674,11.65 143.124,11.65 143.574,11.65 144.024,11.65 101.949,12.1 102.399,12.1 102.849,12.1 103.299,12.1 103.749,12.1 104.199,12.1 104.649,12.1 105.099,12.1 105.549,12.1 105.999,12.1 106.449,12.1 106.899,12.1 107.349,12.1 107.799,12.1 108.249,12.1 108.699,12.1 109.149,12.1 109.599,12.1 110.049,12.1 111.399,12.1 111.849,12.1 112.299,12.1 112.749,12.1 113.199,12.1 113.649,12.1 114.099,12.1 114.549,12.1 114.999,12.1 115.449,12.1 115.899,12.1 116.349,12.1 116.799,12.1 117.249,12.1 117.699,12.1 118.149,12.1 118.599,12.1 119.049,12.1 119.499,12.1 119.949,12.1 120.399,12.1 120.849,12.1 121.299,12.1 121.749,12.1 122.199,12.1 122.649,12.1 123.099,12.1 123.549,12.1 123.999,12.1 124.449,12.1 124.899,12.1 125.349,12.1 125.799,12.1 126.249,12.1 126.699,12.1 127.149,12.1 127.599,12.1 128.049,12.1 128.499,12.1 128.949,12.1 129.399,12.1 129.849,12.1 130.299,12.1 130.749,12.1 131.199,12.1 131.649,12.1 132.099,12.1 132.549,12.1 135.699,12.1 140.649,12.1 141.099,12.1 141.549,12.1 141.999,12.1 142.449,12.1 142.899,12.1 143.349,12.1 143.799,12.1 102.174,12.55 102.624,12.55 103.074,12.55 103.524,12.55 103.974,12.55 104.424,12.55 104.874,12.55 105.324,12.55 105.774,12.55 106.224,12.55 106.674,12.55 107.124,12.55 107.574,12.55 108.024,12.55 108.474,12.55 108.924,12.55 109.374,12.55 109.824,12.55 110.274,12.55 111.624,12.55 112.074,12.55 112.524,12.55 112.974,12.55 113.424,12.55 113.874,12.55 114.324,12.55 114.774,12.55 115.224,12.55 115.674,12.55 116.124,12.55 116.574,12.55 117.024,12.55 117.474,12.55 117.924,12.55 118.374,12.55 118.824,12.55 119.274,12.55 119.724,12.55 120.174,12.55 120.624,12.55 121.074,12.55 121.524,12.55 121.974,12.55 122.424,12.55 122.874,12.55 123.324,12.55 123.774,12.55 124.224,12.55 124.674,12.55 125.124,12.55 125.574,12.55 126.024,12.55 126.474,12.55 126.924,12.55 127.374,12.55 127.824,12.55 128.274,12.55 128.724,12.55 129.174,12.55 129.624,12.55 130.074,12.55 130.524,12.55 130.974,12.55 131.424,12.55 131.874,12.55 132.324,12.55 135.474,12.55 135.924,12.55 139.974,12.55 140.424,12.55 140.874,12.55 141.324,12.55 141.774,12.55 142.224,12.55 142.674,12.55 143.124,12.55 143.574,12.55 144.024,12.55 101.949,13 102.399,13 102.849,13 103.299,13 103.749,13 104.199,13 104.649,13 105.099,13 105.549,13 105.999,13 106.449,13 106.899,13 107.349,13 107.799,13 108.249,13 108.699,13 109.149,13 109.599,13 110.049,13 111.399,13 111.849,13 112.299,13 112.749,13 113.199,13 113.649,13 114.099,13 114.549,13 114.999,13 115.449,13 115.899,13 116.349,13 116.799,13 117.249,13 117.699,13 118.149,13 118.599,13 119.049,13 119.499,13 119.949,13 120.399,13 120.849,13 121.299,13 121.749,13 122.199,13 122.649,13 123.099,13 123.549,13 123.999,13 124.449,13 124.899,13 125.349,13 125.799,13 126.249,13 126.699,13 127.149,13 127.599,13 128.049,13 128.499,13 128.949,13 129.399,13 129.849,13 130.299,13 130.749,13 131.199,13 131.649,13 132.099,13 132.549,13 135.699,13 136.149,13 136.599,13 137.049,13 137.499,13 137.949,13 138.399,13 138.849,13 139.299,13 139.749,13 140.199,13 140.649,13 141.099,13 141.549,13 141.999,13 142.449,13 142.899,13 143.349,13 143.799,13